# Altium PCB Nestling_2.0.PcbDoc (part 2 of 2)
Units mm, origin at the board's own origin, x right, y up, seen from the top; angles counter-clockwise.
Board outline 45 x 75 mm, 2 copper layers (Top Layer, Bottom Layer); 54 components, 122 nets, 425 pads, 211 vias.
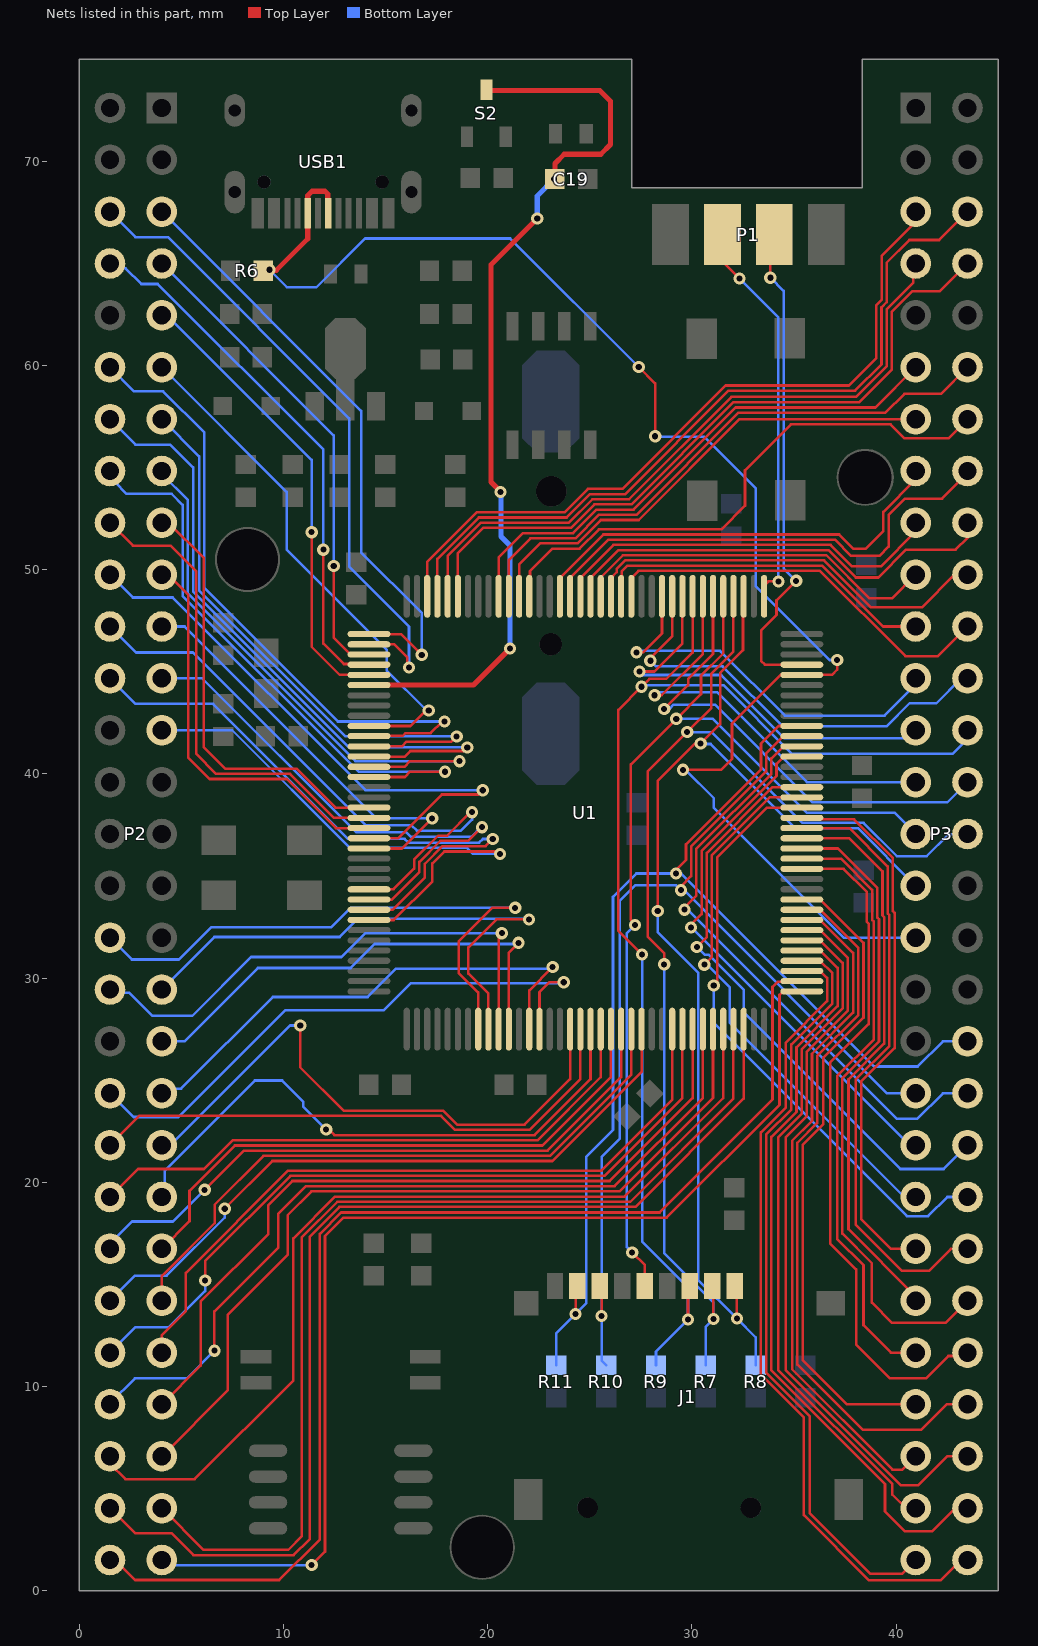
[diagram p2: the nets of this part, all layers, seen from the top]

## Via types
v1: diameter 0.6, hole 0.3, Top Layer to Bottom Layer, 211 vias

## Nets (pads, with @x,y where several pads share a name; then routed paths per layer and width w, separated by ;. In a path a pad name is that pad's centre, name@x,y a point inside that pad or via, vN(x,y) a via of type N, cw(c..) or ccw(c..) an arc to the next point about the centre after c; other vN are vias at no path point) (continued)
PA12: P3.33 R6.2 U1.104 USB1.A6 USB1.B6 | length 74.9
  Top Layer w0.127: v1(27.398,59.932) 28.199,59.13 28.199,56.545 v1(28.202,56.543) ; v1(29.566,40.2) 31.43,40.2 31.963,40.733 31.963,42.465 34.349,44.85 U1.104@35.386,44.85 36.863,44.85 37.116,45.104 v1(37.116,45.583)
  Top Layer w0.254: R6.2@9.312,64.668 9.646,64.668 11.188,66.21 USB1.B6@11.188,67.457 11.188,68.332 11.394,68.538 12.027,68.538 12.168,68.398 12.168,67.477 USB1.A6@12.188,67.457
  Bottom Layer w0.127: v1(9.312,64.695) 10.169,63.838 11.604,63.838 13.992,66.227 21.103,66.227 v1(27.398,59.932) ; v1(28.202,56.543) 28.206,56.538 28.473,56.538 28.491,56.521 30.593,56.521 33.119,53.995 33.119,49.206 36.741,45.583 v1(37.116,45.583) ; v1(29.566,40.2) 29.684,40.2 31.074,38.809 31.074,38.338 37.432,31.98 P3.33@40.96,31.98
PB0: P2.36 U1.46 | length 26.2
  Top Layer w0.127: U1.46@20.536,27.5 20.536,31.918 20.691,32.073 v1(20.691,32.201)
  Bottom Layer w0.127: P2.36@1.5,29.44 1.655,29.285 2.441,29.285 3.574,28.152 5.529,28.152 8.41,31.033 12.837,31.033 14.005,32.201 v1(20.691,32.201)
PB1: P2.37 U1.47 | length 23.9
  Top Layer w0.127: U1.47@21.036,27.5 21.036,31.25 v1(21.514,31.728)
  Bottom Layer w0.127: P2.37@4.04,26.9 5.148,26.9 8.745,30.497 13.285,30.497 14.461,31.673 21.459,31.673 v1(21.514,31.728)
PB3: P3.13 U1.133 | length 23.9
  Top Layer w0.127: U1.133@21.536,48.7 21.536,50.253 22.572,51.29 24.394,51.29 25.543,52.438 27.398,52.438 32.339,57.38 P3.13@40.96,57.38
PB4: P3.12 U1.134 | length 28.2
  Top Layer w0.127: U1.134@21.036,48.7 21.036,50.488 22.092,51.544 24.289,51.544 25.438,52.692 27.289,52.692 32.29,57.693 39.48,57.693 40.407,58.62 42.2,58.62 P3.12@43.5,59.92
PB5: P3.11 U1.135 | length 26.2
  Top Layer w0.127: U1.135@20.536,48.7 20.536,50.6 21.733,51.798 24.184,51.798 25.333,52.946 27.14,52.946 32.141,57.947 38.987,57.947 P3.11@40.96,59.92
PB8: P3.8 U1.139 | length 34.6
  Top Layer w0.127: U1.139@18.536,48.7 18.536,50.81 19.778,52.052 24.079,52.052 25.227,53.2 27.035,53.2 32.046,58.211 38.205,58.211 39.795,59.802 39.795,62.645 40.796,63.645 42.145,63.645 P3.8@43.5,65
PB9: P3.7 U1.140 | length 33
  Top Layer w0.127: U1.140@18.036,48.7 18.036,50.669 19.672,52.306 23.973,52.306 25.122,53.454 26.929,53.454 31.941,58.465 38.047,58.465 39.541,59.96 39.541,62.75 40.851,64.059 40.851,64.891 P3.7@40.96,65
PB10: P2.55 U1.69 | length 50
  Top Layer w0.127: P2.55@4.04,4.04 6.081,1.999 10.231,1.999 10.901,2.669 10.901,17.315 12.632,19.046 26.986,19.046 32.036,24.096 U1.69@32.036,27.5
PB11: P2.56 U1.70 | length 53.3
  Top Layer w0.127: P2.56@1.5,4.04 2.728,2.812 4.507,2.812 5.585,1.734 10.496,1.734 11.276,2.514 11.276,17.331 12.737,18.792 27.232,18.792 32.536,24.096 U1.70@32.536,27.5
PB12: P2.57 U1.73 | length 55.3
  Top Layer w0.127: v1(11.376,1.251) 12.032,1.908 12.032,17.369 12.931,18.268 28.766,18.268 34.293,23.795 34.293,29.18 34.464,29.35 U1.73@35.386,29.35
  Bottom Layer w0.127: P2.57@4.04,1.5 4.289,1.251 v1(11.376,1.251)
PB13: P2.58 U1.74 | length 58.4
  Top Layer w0.127: P2.58@1.5,1.5 1.742,1.5 2.723,0.519 9.783,0.519 11.778,2.515 11.778,17.474 12.826,18.522 28.417,18.522 33.948,24.053 33.948,29.569 34.196,29.817 35.353,29.817 U1.74@35.386,29.85
PB14: P3.58 U1.75 | length 39.7
  Top Layer w0.127: U1.75@35.386,30.35 36.286,30.35 36.627,30.01 36.627,28.869 34.6,26.842 34.6,23.664 33.38,22.445 33.38,10.574 35.48,8.475 35.48,3.701 38.682,0.499 42.187,0.499 43.188,1.5 P3.58@43.5,1.5
PB15: P3.57 U1.76 | length 37.1
  Top Layer w0.127: U1.76@35.386,30.85 36.286,30.85 36.881,30.256 36.881,28.76 34.868,26.748 34.868,23.574 33.634,22.34 33.634,10.68 35.782,8.532 35.782,3.78 38.739,0.824 40.284,0.824 P3.57@40.96,1.5
PC0: P2.22 U1.26 | length 29.3
  Top Layer w0.127: U1.26@14.186,34.35 14.195,34.359 15.397,34.359 16.399,35.361 16.399,35.802 17.57,36.973 18.011,36.973 19.166,38.128 v1(19.233,38.128)
  Bottom Layer w0.127: P2.22@1.5,47.22 2.771,45.949 5.563,45.949 14.03,37.481 16.272,37.481 16.532,37.222 18.686,37.222 19.233,37.769 v1(19.233,38.128)
PC1: P2.23 U1.27 | length 26.4
  Top Layer w0.127: U1.27@14.186,33.85 14.195,33.841 15.303,33.841 16.653,35.191 16.653,35.697 17.675,36.719 19.044,36.719 v1(19.719,37.394)
  Bottom Layer w0.127: P2.23@4.04,44.68 6.018,44.68 13.552,37.146 16.009,37.146 16.239,36.917 19.193,36.917 19.671,37.394 v1(19.719,37.394)
PC2: P2.24 U1.28 | length 30.1
  Top Layer w0.127: U1.28@14.186,33.35 14.195,33.341 15.337,33.341 16.917,34.921 16.917,35.601 17.78,36.464 19.894,36.464 v1(20.249,36.819)
  Bottom Layer w0.127: P2.24@1.5,44.68 2.746,43.434 6.553,43.434 13.168,36.819 15.927,36.819 16.113,36.633 19.576,36.633 19.758,36.815 20.245,36.815 v1(20.249,36.819)
PC3: P2.25 U1.29 | length 27.4
  Top Layer w0.127: U1.29@14.186,32.85 14.19,32.846 15.397,32.846 17.292,34.742 17.292,35.617 17.878,36.203 20.486,36.203 v1(20.604,36.085)
  Bottom Layer w0.127: P2.25@4.04,42.14 7.488,42.14 13.249,36.379 18.996,36.379 19.29,36.085 v1(20.604,36.085)
PC4: P2.34 U1.44 | length 29.5
  Top Layer w0.127: U1.44@19.536,27.5 19.536,29.297 18.574,30.26 18.574,31.794 20.22,33.441 v1(21.343,33.441)
  Bottom Layer w0.127: P2.34@1.5,31.98 2.566,30.914 4.881,30.914 6.455,32.488 12.331,32.488 13.284,33.441 v1(21.343,33.441)
PC5: P2.35 U1.45 | length 27.4
  Top Layer w0.127: U1.45@20.036,27.5 20.036,29.236 19.053,30.218 19.053,31.507 20.421,32.875 v1(22.027,32.875)
  Bottom Layer w0.127: P2.35@4.04,29.44 6.614,32.014 12.75,32.014 13.649,32.914 21.988,32.914 v1(22.027,32.875)
PC6: P3.41 U1.96 | length 26.5
  Top Layer w0.127: v1(29.961,32.485) 29.961,32.616 30.475,33.129 30.475,36.232 34.146,39.903 34.146,40.491 34.504,40.85 U1.96@35.386,40.85
  Bottom Layer w0.127: v1(29.961,32.485) 29.982,32.485 40.647,21.82 P3.41@40.96,21.82
PC7: P3.40 U1.97 | length 29.5
  Top Layer w0.127: v1(29.643,33.352) 29.643,33.459 30.221,34.037 30.221,36.337 33.892,40.008 33.892,40.756 34.486,41.35 U1.97@35.386,41.35
  Bottom Layer w0.127: v1(29.643,33.352) 29.788,33.352 40.035,23.105 41.035,23.105 42.29,24.36 P3.40@43.5,24.36
PC8: J1.7 P3.39 R10.2 U1.98 | length 54.3
  Top Layer w0.127: J1.7@25.493,14.929 25.576,14.846 v1(25.576,13.451) ; v1(29.466,34.308) 29.466,34.496 29.967,34.998 29.967,36.442 33.638,40.113 33.638,41.002 34.486,41.85 U1.98@35.386,41.85
  Bottom Layer w0.127: R10.2@25.804,11.041 25.576,11.269 v1(25.576,13.451) 25.576,21.234 26.465,22.124 26.465,33.789 27.218,34.542 29.231,34.542 v1(29.466,34.308) 29.612,34.308 39.56,24.36 P3.39@40.96,24.36
PC9: J1.8 P3.38 R11.2 U1.99 | length 58.2
  Top Layer w0.127: v1(24.305,13.553) 24.305,14.841 J1.8@24.393,14.929 ; v1(29.218,35.122) 29.218,35.297 29.713,35.792 29.713,36.548 33.384,40.218 33.384,41.487 34.247,42.35 U1.99@35.386,42.35
  Bottom Layer w0.127: R11.2@23.365,11.041 23.365,12.613 v1(24.305,13.553) 24.83,14.078 24.83,21.255 26.136,22.562 26.136,33.98 27.279,35.122 v1(29.218,35.122) 29.471,35.122 38.923,25.67 41.06,25.67 42.29,26.9 P3.38@43.5,26.9
PC10: J1.1 P3.31 R8.2 U1.111 | length 56.6
  Top Layer w0.127: v1(28.325,33.286) 28.325,39.653 30.159,41.486 v1(30.429,41.486) 31.386,42.443 31.386,44.951 32.503,46.068 32.503,48.667 U1.111@32.536,48.7 ; J1.1@32.093,14.929 32.205,14.817 v1(32.205,13.324)
  Bottom Layer w0.127: v1(28.325,33.286) 28.325,32.253 30.309,30.269 30.309,15.219 v1(32.205,13.324) 33.119,12.41 R8.2@33.119,11.041 ; v1(30.429,41.486) 30.451,41.465 30.92,41.465 35.039,37.346 38.134,37.346 P3.31@40.96,34.52
PC11: J1.2 P3.30 R7.2 U1.112 | length 59.4
  Top Layer w0.127: v1(28.643,30.673) 28.643,31.226 27.835,32.035 27.835,40.115 v1(29.769,42.049) 30.954,43.234 30.954,44.913 32.036,45.996 U1.112@32.036,48.7 ; v1(31.055,13.3) 31.055,14.867 J1.2@30.993,14.929 J1.2@31.115,15.051
  Bottom Layer w0.127: v1(28.643,30.673) 28.643,16.527 31.055,14.115 v1(31.055,13.3) 30.68,12.926 R7.2@30.68,11.041 ; v1(29.769,42.049) 30.965,42.049 35.414,37.6 38.408,37.6 40.038,35.969 41.491,35.969 42.559,37.038 43.478,37.038 P3.30@43.5,37.06
PC12: J1.5 P3.29 U1.113 | length 50
  Top Layer w0.127: 27.008,32.856 27.008,40.47 v1(29.235,42.697) 30.448,43.91 30.448,44.815 31.536,45.903 U1.113@31.536,48.7 ; v1(27.076,16.567) 27.693,15.95 J1.5@27.693,14.929
  Bottom Layer w0.127: v1(27.076,16.567) 26.816,16.827 26.816,32.203 v1(27.214,32.602) ; v1(29.235,42.697) 31.027,42.697 35.617,38.108 39.912,38.108 P3.29@40.96,37.06
PD0: P3.28 U1.114 | length 23.9
  Top Layer w0.127: v1(28.643,43.175) 29.815,44.347 29.815,44.659 31.036,45.88 U1.114@31.036,48.7
  Bottom Layer w0.127: v1(28.643,43.175) 28.896,43.175 29.111,43.391 31.127,43.391 35.91,38.607 42.507,38.607 P3.28@43.5,39.6
PD1: P3.27 U1.115 | length 20.7
  Top Layer w0.127: v1(28.177,43.855) 28.521,43.855 30.536,45.87 U1.115@30.536,48.7
  Bottom Layer w0.127: v1(28.177,43.855) 28.328,44.006 31.233,44.006 35.639,39.6 P3.27@40.96,39.6
PD2: J1.3 P3.26 R9.2 U1.116 | length 61.5
  Top Layer w0.127: v1(27.561,31.151) 26.395,32.316 26.395,43.134 v1(27.534,44.272) 27.915,44.653 28.745,44.653 30.036,45.945 U1.116@30.036,48.7 ; v1(29.812,13.277) 29.812,14.848 J1.3@29.893,14.929
  Bottom Layer w0.127: v1(27.534,44.272) 27.607,44.345 31.546,44.345 34.911,40.98 42.773,40.98 43.5,41.707 P3.26@43.5,42.14 ; v1(27.561,31.151) 27.561,17.098 29.812,14.846 v1(29.812,13.277) 28.242,11.707 R9.2@28.242,11.041
PD3: P3.25 U1.117 | length 20
  Top Layer w0.127: v1(27.44,45.019) 28.161,45.019 29.536,46.394 U1.117@29.536,48.7
  Bottom Layer w0.127: v1(27.44,45.019) 27.611,44.848 31.431,44.848 34.534,41.745 40.565,41.745 P3.25@40.96,42.14
PD4: P3.24 U1.118 | length 21.4
  Top Layer w0.127: v1(27.965,45.542) 27.965,45.667 29.036,46.738 U1.118@29.036,48.7
  Bottom Layer w0.127: v1(27.965,45.542) 28.239,45.269 31.503,45.269 34.433,42.339 39.546,42.339 40.67,43.463 41.971,43.463 43.188,44.68 P3.24@43.5,44.68
PD5: P3.23 U1.119 | length 19.4
  Top Layer w0.127: v1(27.289,45.957) 27.616,45.957 28.536,46.877 U1.119@28.536,48.7
  Bottom Layer w0.127: v1(27.289,45.957) 27.365,46.033 31.385,46.033 34.559,42.859 39.433,42.859 40.96,44.386 P3.23@40.96,44.68
PD6: P3.22 U1.122 | length 19.8
  Top Layer w0.127: U1.122@27.036,48.7 27.036,49.6 27.385,49.949 36.271,49.949 40.454,45.765 42.045,45.765 P3.22@43.5,47.22
PD7: P3.21 U1.123 | length 17
  Top Layer w0.127: U1.123@26.536,48.7 26.569,48.733 26.569,49.935 26.837,50.203 36.376,50.203 39.359,47.22 P3.21@40.96,47.22
PD8: P3.56 U1.77 | length 37.3
  Top Layer w0.127: U1.77@35.386,31.35 36.286,31.35 37.135,30.502 37.135,28.623 35.123,26.611 35.123,23.453 33.888,22.218 33.888,10.785 39.458,5.215 39.458,3.886 40.441,2.902 41.772,2.902 42.91,4.04 P3.56@43.5,4.04
PD9: P3.55 U1.78 | length 33.6
  Top Layer w0.127: U1.78@35.386,31.85 36.286,31.85 37.389,30.748 37.389,28.518 35.377,26.506 35.377,23.348 34.221,22.192 34.221,10.812 39.819,5.213 39.819,4.696 40.475,4.04 P3.55@40.96,4.04
PD10: P3.54 U1.79 | length 36.1
  Top Layer w0.127: U1.79@35.386,32.35 36.286,32.35 37.643,30.994 37.643,28.412 35.631,26.401 35.631,23.243 34.603,22.214 34.603,10.789 40.221,5.171 41.097,5.171 42.506,6.58 P3.54@43.5,6.58
PD11: P3.53 U1.80 | length 33.2
  Top Layer w0.127: U1.80@35.386,32.85 36.286,32.85 37.897,31.24 37.897,28.307 35.885,26.296 35.885,23.011 34.916,22.041 34.916,10.835 39.825,5.926 40.306,5.926 P3.53@40.96,6.58
PD12: P3.52 U1.81 | length 35.4
  Top Layer w0.127: U1.81@35.386,33.35 36.286,33.35 38.151,31.486 38.151,28.202 36.139,26.19 36.139,22.905 35.17,21.936 35.17,11.071 38.371,7.87 41.225,7.87 42.475,9.12 P3.52@43.5,9.12
PD13: P3.51 U1.82 | length 32
  Top Layer w0.127: U1.82@35.386,33.85 36.286,33.85 38.405,31.732 38.405,28.066 36.427,26.089 36.427,22.834 35.424,21.831 35.424,11.293 37.597,9.12 P3.51@40.96,9.12
PD14: P3.50 U1.85 | length 33.8
  Top Layer w0.127: U1.85@35.386,35.35 37.434,35.35 38.574,34.21 38.574,32.752 38.659,32.667 38.659,27.751 36.768,25.86 36.768,17.011 38.045,15.734 38.045,12.048 39.695,10.398 41.464,10.398 42.559,11.494 43.334,11.494 P3.50@43.5,11.66
PD15: P3.49 U1.86 | length 29.8
  Top Layer w0.127: U1.86@35.386,35.85 37.293,35.85 38.828,34.315 38.828,32.857 38.913,32.772 38.913,26.999 37.116,25.202 37.116,17.231 38.405,15.942 38.405,13.003 39.748,11.66 P3.49@40.96,11.66
PE0: P3.6 U1.141 | length 37.6
  Top Layer w0.127: U1.141@17.536,48.7 17.536,50.528 19.567,52.56 23.868,52.56 25.017,53.708 26.74,53.708 31.804,58.772 37.994,58.772 39.287,60.065 39.287,62.855 39.544,63.112 39.544,65.044 40.652,66.151 42.111,66.151 P3.6@43.5,67.54
PE1: P3.5 U1.142 | length 35.8
  Top Layer w0.127: U1.142@17.036,48.7 17.036,50.388 19.462,52.814 23.763,52.814 24.912,53.962 26.591,53.962 31.655,59.026 37.694,59.026 39.033,60.365 39.033,62.96 39.29,63.217 39.29,65.357 40.96,67.026 P3.5@40.96,67.54
PE2: P2.5 U1.1 | length 30
  Top Layer w0.127: U1.1@14.186,46.85 15.755,46.85 v1(16.77,45.835)
  Bottom Layer w0.127: P2.5@4.04,67.54 13.803,57.777 13.803,50.84 16.77,47.873 v1(16.77,45.835)
PE3: P2.6 U1.2 | length 32
  Top Layer w0.127: U1.2@14.186,46.35 14.19,46.346 15.427,46.346 16.065,45.707 16.065,45.297 v1(16.145,45.216)
  Bottom Layer w0.127: P2.6@1.5,67.54 2.746,66.294 4.33,66.294 13.211,57.413 13.211,50.155 16.145,47.221 v1(16.145,45.216)
PE4: P2.7 U1.3 | length 23.9
  Top Layer w0.127: v1(12.456,50.184) 12.456,46.68 13.286,45.85 U1.3@14.186,45.85
  Bottom Layer w0.127: P2.7@4.04,65 12.456,56.584 v1(12.456,50.184)
PE5: P2.8 U1.4 | length 26.4
  Top Layer w0.127: v1(11.95,50.987) 11.95,46.384 12.951,45.383 14.153,45.383 U1.4@14.186,45.35
  Bottom Layer w0.127: P2.8@1.5,65 1.738,64.762 2.27,64.762 3.036,63.996 3.834,63.996 11.95,55.88 v1(11.95,50.987)
PE6: P2.9 U1.5 | length 22.8
  Top Layer w0.127: v1(11.378,51.842) 11.378,46.23 12.748,44.859 14.177,44.859 U1.5@14.186,44.85
  Bottom Layer w0.127: P2.9@4.04,62.46 4.294,62.46 11.378,55.376 v1(11.378,51.842)
PE7: P2.46 U1.58 | length 31
  Top Layer w0.127: v1(6.135,19.63) 8.054,21.549 22.928,21.549 26.536,25.156 U1.58@26.536,27.5
  Bottom Layer w0.127: P2.46@1.5,16.74 1.5,17.002 2.578,18.08 4.585,18.08 v1(6.135,19.63)
PE8: P2.47 U1.59 | length 31.1
  Top Layer w0.127: P2.47@4.04,14.2 4.04,15.41 6.63,18 6.63,18.909 9.017,21.295 23.062,21.295 27.036,25.268 U1.59@27.036,27.5
PE9: P2.48 U1.60 | length 33
  Top Layer w0.127: v1(7.121,18.705) 9.456,21.041 23.168,21.041 27.536,25.409 U1.60@27.536,27.5
  Bottom Layer w0.127: P2.48@1.5,14.2 2.724,15.424 4.272,15.424 7.121,18.272 v1(7.121,18.705)
PE10: P2.49 U1.63 | length 35.2
  Top Layer w0.127: P2.49@4.04,11.66 4.04,12.51 5.214,13.684 5.214,15.56 10.225,20.57 25.573,20.57 29.036,24.033 U1.63@29.036,27.5
PE11: P2.50 U1.64 | length 37.4
  Top Layer w0.127: v1(6.161,15.195) 6.161,16.148 10.33,20.316 25.723,20.316 29.536,24.129 U1.64@29.536,27.5
  Bottom Layer w0.127: P2.50@1.5,11.66 2.745,12.905 4.392,12.905 6.161,14.675 v1(6.161,15.195)
PE12: P2.51 U1.65 | length 38.2
  Top Layer w0.127: P2.51@4.04,9.12 5.944,11.024 5.944,14.154 9.242,17.451 9.242,18.869 10.435,20.062 25.969,20.062 30.036,24.129 U1.65@30.036,27.5
PE13: P2.52 U1.66 | length 40.8
  Top Layer w0.127: v1(6.615,11.754) 6.615,13.674 9.75,16.809 9.75,18.463 11.095,19.808 26.215,19.808 30.536,24.129 U1.66@30.536,27.5
  Bottom Layer w0.127: P2.52@1.5,9.12 1.5,9.18 2.719,10.399 5.26,10.399 v1(6.615,11.754)
PE14: P2.53 U1.67 | length 40.9
  Top Layer w0.127: P2.53@4.04,6.58 7.265,9.805 7.265,13.505 10.201,16.442 10.201,18.386 11.37,19.554 26.461,19.554 31.036,24.129 U1.67@31.036,27.5
PE15: P2.54 U1.68 | length 45.9
  Top Layer w0.127: P2.54@1.5,6.58 1.5,6.213 2.255,5.457 5.645,5.457 10.484,10.296 10.484,17.257 12.527,19.3 26.707,19.3 31.536,24.129 U1.68@31.536,27.5
PF0: P2.11 U1.10 | length 25.5
  Top Layer w0.127: U1.10@14.186,42.35 16.219,42.35 16.974,43.105 v1(17.115,43.105)
  Bottom Layer w0.127: P2.11@4.04,59.92 10.152,53.808 10.152,50.987 15.051,46.088 15.051,45.068 17.014,43.105 v1(17.115,43.105)
PF1: P2.12 U1.11 | length 32
  Top Layer w0.127: U1.11@14.186,41.85 14.207,41.871 15.848,41.871 15.972,41.995 17.21,41.995 17.783,42.568 v1(17.886,42.568)
  Bottom Layer w0.127: P2.12@1.5,59.92 2.681,58.739 4.101,58.739 6.125,56.715 6.125,49.099 12.656,42.568 v1(17.886,42.568)
PF2: P2.13 U1.12 | length 29.2
  Top Layer w0.127: U1.12@14.177,41.341 U1.12@14.186,41.35 15.799,41.35 16.027,41.579 18.218,41.579 v1(18.479,41.839)
  Bottom Layer w0.127: P2.13@4.04,57.38 5.871,55.549 5.871,48.994 13.025,41.839 v1(18.479,41.839)
PF3: P2.14 U1.13 | length 32.7
  Top Layer w0.127: U1.13@14.186,40.85 15.941,40.85 16.215,41.123 18.822,41.123 v1(18.999,41.3)
  Bottom Layer w0.127: P2.14@1.5,57.38 2.75,56.13 4.449,56.13 5.571,55.008 5.571,48.935 13.205,41.3 v1(18.999,41.3)
PF4: P2.15 U1.14 | length 27.8
  Top Layer w0.127: U1.14@14.186,40.35 15.921,40.35 16.197,40.626 v1(18.62,40.626)
  Bottom Layer w0.127: P2.15@4.04,54.84 4.051,54.829 4.051,54.678 5.317,53.413 5.317,48.83 13.521,40.626 v1(18.62,40.626)
PF5: P2.16 U1.15 | length 29.1
  Top Layer w0.127: U1.15@14.186,39.85 15.943,39.85 16.203,40.11 v1(17.908,40.11)
  Bottom Layer w0.127: P2.16@1.5,54.84 1.738,54.602 1.738,54.288 2.305,53.721 4.524,53.721 5.063,53.183 5.063,48.725 13.677,40.11 v1(17.908,40.11)
PF6: P2.17 U1.18 | length 21.4
  Top Layer w0.127: P2.17@4.04,52.3 4.373,52.3 6.096,50.577 6.096,41.3 7.135,40.261 10.626,40.261 12.537,38.35 U1.18@14.186,38.35
PF7: P2.18 U1.19 | length 23.9
  Top Layer w0.127: P2.18@1.5,52.3 2.619,51.181 4.47,51.181 5.715,49.936 5.715,40.996 6.703,40.007 10.316,40.007 12.473,37.85 U1.19@14.186,37.85
PF8: P2.19 U1.20 | length 20
  Top Layer w0.127: P2.19@4.04,49.76 4.278,49.522 4.58,49.522 5.334,48.768 5.334,40.792 6.373,39.753 10.158,39.753 12.561,37.35 U1.20@14.186,37.35
PF9: P2.20 U1.21 | length 28.3
  Top Layer w0.127: U1.21@15.068,36.85 15.609,36.85 17.755,38.996 19.55,38.996 v1(19.757,39.202)
  Bottom Layer w0.127: P2.20@1.5,49.76 2.619,48.641 4.572,48.641 14.011,39.202 v1(19.757,39.202)
PF10: P2.21 U1.22 | length 20.8
  Top Layer w0.127: U1.22@14.186,36.35 15.803,36.35 v1(17.278,37.825)
  Bottom Layer w0.127: P2.21@4.04,47.22 5.155,47.22 14.55,37.825 v1(17.278,37.825)
PF11: P2.39 U1.49 | length 25.2
  Top Layer w0.127: U1.49@22.036,27.5 22.036,29.393 v1(23.182,30.539)
  Bottom Layer w0.127: P2.39@4.04,24.36 4.263,24.583 4.981,24.583 9.473,29.076 14.12,29.076 15.506,30.462 23.105,30.462 v1(23.182,30.539)
PF12: P2.40 U1.50 | length 28.6
  Top Layer w0.127: U1.50@22.536,27.5 22.536,29.319 23.012,29.795 v1(23.721,29.795)
  Bottom Layer w0.127: P2.40@1.5,24.36 2.663,23.197 4.85,23.197 10.087,28.434 14.916,28.434 16.225,29.744 23.67,29.744 v1(23.721,29.795)
PF13: P2.41 U1.53 | length 29
  Top Layer w0.127: v1(10.818,27.681) 10.818,25.629 12.942,23.505 17.819,23.505 18.505,22.819 21.804,22.819 24.036,25.05 U1.53@24.036,27.5
  Bottom Layer w0.127: P2.41@4.04,21.82 4.461,21.82 10.322,27.681 v1(10.818,27.681)
PF14: P2.42 U1.54 | length 27.4
  Top Layer w0.127: P2.42@1.5,21.82 2.931,23.251 17.713,23.251 18.4,22.565 22.051,22.565 24.536,25.05 U1.54@24.536,27.5
PF15: P2.43 U1.55 | length 28.9
  Top Layer w0.127: v1(12.087,22.59) 12.215,22.59 12.494,22.311 22.297,22.311 25.036,25.05 U1.55@25.036,27.5
  Bottom Layer w0.127: P2.43@4.04,19.28 4.174,19.414 4.174,20.565 8.595,24.986 9.929,24.986 10.962,23.952 10.962,23.714 v1(12.087,22.59)
PG0: P2.44 U1.56 | length 28.8
  Top Layer w0.127: P2.44@1.5,19.28 2.873,20.653 6.106,20.653 7.51,22.057 22.436,22.057 25.536,25.156 U1.56@25.536,27.5
PG1: P2.45 U1.57 | length 28.7
  Top Layer w0.127: P2.45@4.04,16.74 5.394,18.094 5.394,19.582 7.615,21.803 22.682,21.803 26.036,25.156 U1.57@26.036,27.5
PG2: P3.48 U1.87 | length 31.7
  Top Layer w0.127: U1.87@35.386,36.35 37.153,36.35 39.082,34.421 39.082,32.962 39.167,32.878 39.167,26.893 37.37,25.097 37.37,17.484 38.82,16.035 38.82,14.107 39.812,13.114 42.414,13.114 P3.48@43.5,14.2
PG3: P3.47 U1.88 | length 27.8
  Top Layer w0.127: U1.88@35.386,36.85 37.713,36.85 39.336,35.227 39.336,33.067 39.421,32.983 39.421,26.788 37.671,25.039 37.671,17.703 40.96,14.415 P3.47@40.96,14.2
PG4: P3.46 U1.89 | length 30.1
  Top Layer w0.127: U1.89@35.386,37.35 37.713,37.35 39.59,35.473 39.59,33.172 39.675,33.088 39.675,26.683 38.018,25.027 38.018,17.924 40.283,15.66 41.608,15.66 42.688,16.74 P3.46@43.5,16.74
PG5: P3.45 U1.90 | length 26.9
  Top Layer w0.127: U1.90@35.386,37.85 35.46,37.776 37.952,37.776 39.844,35.883 39.844,33.278 39.929,33.193 39.929,26.578 38.294,24.943 38.294,18.199 39.753,16.74 P3.45@40.96,16.74
PG6: P3.44 U1.91 | length 30.1
  Top Layer w0.127: v1(31.074,29.635) 31.237,29.798 31.237,35.916 33.67,38.35 U1.91@35.386,38.35
  Bottom Layer w0.127: v1(31.074,29.635) 31.074,27.799 40.534,18.339 41.574,18.339 42.514,19.28 P3.44@43.5,19.28
PG7: P3.43 U1.92 | length 27.2
  Top Layer w0.127: v1(30.612,30.66) 30.983,31.032 30.983,36.022 33.811,38.85 U1.92@35.386,38.85
  Bottom Layer w0.127: v1(30.612,30.66) 30.742,30.66 31.846,29.557 31.846,27.836 40.401,19.28 P3.43@40.96,19.28
PG8: P3.42 U1.93 | length 29.7
  Top Layer w0.127: v1(30.245,31.529) 30.729,32.013 30.729,36.127 33.952,39.35 U1.93@35.386,39.35
  Bottom Layer w0.127: v1(30.245,31.529) 30.623,31.151 30.815,31.151 32.543,29.422 32.543,28.318 40.212,20.65 42.33,20.65 P3.42@43.5,21.82
PG9: P3.20 U1.124 | length 20.4
  Top Layer w0.127: U1.124@26.036,48.7 26.036,49.6 26.315,49.879 26.315,50.04 26.732,50.457 36.481,50.457 38.778,48.161 41.267,48.161 42.867,49.76 P3.20@43.5,49.76
PG10: P3.19 U1.125 | length 18.2
  Top Layer w0.127: U1.125@25.536,48.7 25.536,49.62 26.627,50.711 36.586,50.711 38.701,48.596 39.796,48.596 P3.19@40.96,49.76
PG11: P3.18 U1.126 | length 22
  Top Layer w0.127: U1.126@25.036,48.7 25.036,49.6 26.401,50.965 36.691,50.965 38.033,49.624 39.138,49.624 40.496,50.982 42.923,50.982 43.5,51.559 P3.18@43.5,52.3
PG12: P3.17 U1.127 | length 19.6
  Top Layer w0.127: U1.127@24.536,48.7 24.536,49.6 26.155,51.219 36.797,51.219 37.844,50.172 39.257,50.172 40.96,51.875 P3.17@40.96,52.3
PG13: P3.16 U1.128 | length 24.2
  Top Layer w0.127: U1.128@24.036,48.7 24.036,49.6 25.909,51.473 37.004,51.473 37.794,50.684 39.179,50.684 39.633,51.138 39.633,52.694 40.427,53.488 42.259,53.488 43.5,54.728 P3.16@43.5,54.84
PG14: P3.15 U1.129 | length 21.9
  Top Layer w0.127: U1.129@23.536,48.7 23.536,49.6 25.663,51.727 37.209,51.727 37.91,51.026 38.495,51.026 39.377,51.907 39.377,52.828 40.96,54.411 P3.15@40.96,54.84
PG15: P3.14 U1.132 | length 27.3
  Top Layer w0.127: U1.132@22.036,48.7 22.069,48.733 22.069,49.935 23.17,51.036 24.5,51.036 25.445,51.981 31.443,51.981 32.603,53.141 32.603,54.873 34.856,57.126 39.726,57.126 40.412,56.439 42.559,56.439 P3.14@43.5,57.38
"SWCLK PA14": P1.3 U1.109 | length 19.4
  Top Layer w0.127: P1.3@31.496,66.421 31.496,65.104 v1(32.333,64.267) ; U1.109@33.536,48.7 33.536,49.216 33.748,49.428 v1(34.239,49.428)
  Bottom Layer w0.127: v1(32.333,64.267) 34.239,62.36 v1(34.239,49.428)
"SWDIO PA13": P1.2 U1.105 | length 24.3
  Top Layer w0.127: v1(33.842,64.305) 33.842,66.227 P1.2@34.036,66.421 ; v1(35.106,49.459) 34.146,48.498 34.146,47.785 33.393,47.032 33.393,45.532 33.575,45.35 U1.105@35.386,45.35
  Bottom Layer w0.127: v1(33.842,64.305) 34.493,63.654 34.493,50.072 v1(35.106,49.459)
VBAT: C19.1 S2.3 U1.6 | length 44.8
  Top Layer w0.254: U1.6@14.186,44.35 19.302,44.35 v1(21.096,46.144) ; S2.3@19.939,73.515 19.939,73.315 20.103,73.479 25.488,73.479 26.016,72.951 26.016,70.829 25.54,70.353 23.752,70.353 23.301,69.902 C19.1@23.301,69.147 ; v1(20.626,53.806) 20.626,53.834 20.158,54.302 20.158,64.937 v1(22.425,67.204)
  Bottom Layer w0.254: v1(20.626,53.806) 20.647,53.785 20.647,51.637 21.096,51.188 v1(21.096,46.144) ; v1(22.425,67.204) 22.425,68.315 v1(23.244,69.134)
pads on no net: B1.0 J1.0 U1.24 U1.106 USB1.0 USB1.A5 USB1.A8 USB1.B5 USB1.B8 X1.1

## Polygon pours and split planes (outlines as drawn)
GND on Top Layer "Top Layer-No Net" (solid, pour order 32): 0,0 0,75 27.051,75 27.051,68.707 38.354,68.707 38.354,75 45,75 45,0
GND on Bottom Layer "Top Layer-No Net1" (solid, pour order 33): 0,0 0,75 27.051,75 27.051,68.707 38.354,68.707 38.354,75 45,75 45,0

## Keep-outs
Keep-Out Layer:
  the board outline again, w0.254

## Other copper
Top Layer:
  rectangle net GND: 21.778,44.913 22.572,45.571
  rectangle net GND: 20.943,44.653 23.323,45.383
  rectangle net GND: 9.537,32.951 10.395,35.735
  rectangle net GND: 28.523,60.686 32.217,62.042
  rectangle net GND: 9.281,33.079 9.924,38.746
  rectangle net GND: 20.052,24.987 21.414,26.154
  rectangle net 3V3: 18.406,7.156 27.651,9.773
  rectangle net 3V3: 18.406,7.156 19.799,17.07
  rectangle net 3V3: 23.629,46.766 26.945,47.26
  rectangle net 5V: 14.12,65.247 15.75,65.782
  rectangle net 5V: 14.124,65.257 14.51,68.278
  rectangle net 5V: 14.103,57.362 16.969,58.661
  rectangle net 5V: 16.166,57.285 17.58,63.171
  rectangle net 3V3: 8.529,60.753 13.443,62.143
  rectangle net 3V3: 12.591,16.432 17.387,17.659
  rectangle net 3V3: 17.074,67.041 19.582,71.86
  rectangle net 3V3: 19.185,9.12 20.813,17.051
  rectangle net 3V3: 24.78,55.506 27.682,56.782
Bottom Layer:
  rectangle net GND: 27.768,23.545 28.365,28.025
  rectangle net 3V3: 23.54,46.875 25.357,47.313
  rectangle net 5V: 15.992,61.166 17.129,65.695
  rectangle net 5V: 14.065,64.922 17.606,65.802
  rectangle net 3V3: 8.749,16.45 13.72,17.972
  rectangle net 3V3: 8.712,16.45 9.85,24.795
  rectangle net 3V3: 19.784,9.096 20.817,16.969
  rectangle net 3V3: 25.939,54.936 27.884,55.961
  rectangle net 3V3: 12.604,2.604 14.474,6.003
  rectangle net 3V3: 13.286,4.61 17.477,6.003
  rectangle net 3V3: 8.243,2.617 13.791,4.842

## Dimensions
1.5,1.5 to 0,0 on Mechanical 1
1.5,1.5 to 0,0 on Mechanical 1
43.5,1.5 to 45,0 on Mechanical 1
43.5,1.5 to 45,0 on Mechanical 1
45,0 to 0,0 on Mechanical 1

## Text inside footprints (layer, text, board x,y; h text height)
S1: Top Overlay "ON" at 14.495,12.22 h1 r270